# Allegro board 6089-119-RevB_08.brd (continued)
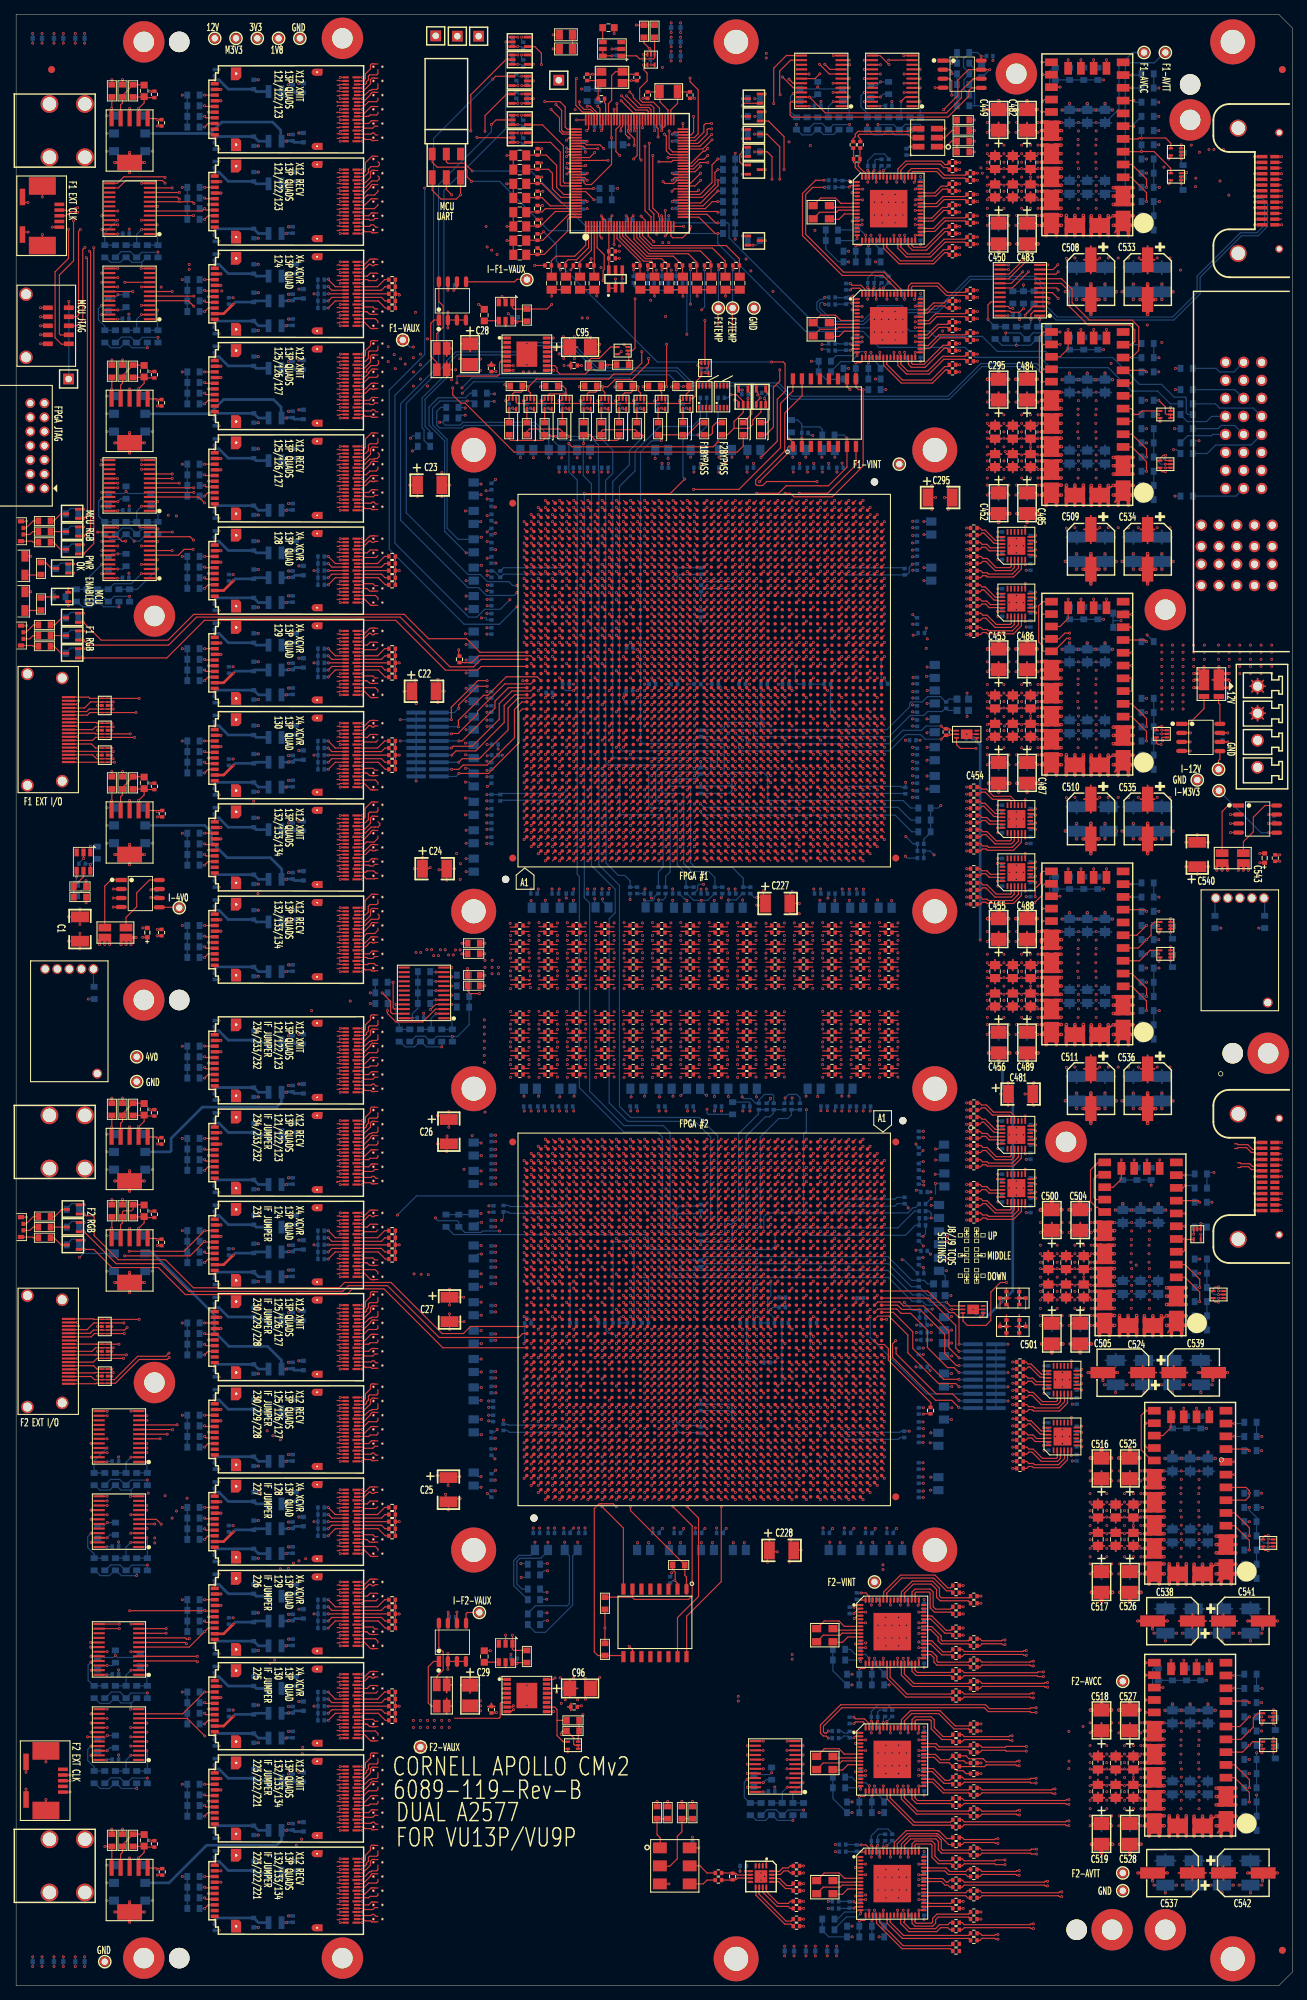
[diagram p0: board, top side]
## Routing (per net, layer and track width the routed paths; a pad name or vN(x,y) marks a point on that pad's centre or on a via; arc(x,y) is an arc through that point) (continued)
; VA98.4 52.05,22.21 ; 49.95,113.21 VA64.3 ; VA64.3 50.04,113.72 ; VA64.3 50.37,113.02 ; VA64.3 49.98,113.4 ; VA64.3 50.18,112.99 ; VA64.3 50.37,113.78 ; VA64.3 49.95,113.59 ; VA64.3 50.04,113.08 ; VA95.4 52.05,28.21 ; VA95.4 51.63,28.78 ; VA95.4 51.96,28.72 ; VA95.4 51.82,28.81 ; VA95.4 51.96,28.08 ; VA95.4 52.02,28.4 ; VA95.4 51.63,28.02 ; VA95.4 52.05,28.59 ; VA67.3 51.82,102.31 ; VA67.3 51.96,101.58 ; VA67.3 51.96,102.22 ; VA67.3 52.05,101.71 ; VA67.3 51.63,102.28 ; VA67.3 51.63,101.52 ; VA67.3 52.02,101.9 ; VA67.3 52.05,102.09 ; J6.20 1.6,82.62 ; J6.20 2.64,82 ; J6.20 2.4,82.36 ; J6.20 2.66,81.55 ; J6.20 2.05,82.6 ; J6.20 1.6,80.48 ; J6.20 2.4,80.75 ; J6.20 1.15,80.51 ; 49.98,13.4 VA102.3 ; VA102.3 50.37,13.02 ; VA102.3 50.18,12.99 ; VA102.3 50.04,13.08 ; VA102.3 50.37,13.78 ; VA102.3 49.95,13.21 ; VA102.3 49.95,13.59 ; VA102.3 50.04,13.72 ; 49.95,130.59 VA56.3 ; VA56.3 49.98,130.4 ; VA56.3 50.37,130.02 ; VA56.3 50.04,130.08 ; VA56.3 50.18,129.99 ; VA56.3 50.37,130.78 ; VA56.3 49.95,130.21 ; VA56.3 50.04,130.72 ; 49.95,89.59 VA73.3 ; VA73.3 49.95,89.21 ; VA73.3 50.37,89.78 ; VA73.3 50.18,88.99 ; VA73.3 50.04,89.72 ; VA73.3 50.04,89.08 ; VA73.3 49.98,89.4 ; VA73.3 50.37,89.02 ; 50.18,265.99 VA3.3 ; VA3.3 50.04,266.08 ; VA3.3 50.37,266.78 ; VA3.3 49.98,266.4 ; VA3.3 49.95,266.21 ; VA3.3 50.37,266.02 ; VA3.3 50.04,266.72 ; VA3.3 49.95,266.59 ; VA18.4 51.96,229.72 ; VA18.4 52.05,229.59 ; VA18.4 52.02,229.4 ; VA18.4 51.82,229.81 ; VA18.4 51.63,229.02 ; VA18.4 52.05,229.21 ; VA18.4 51.63,229.78 ; VA18.4 51.96,229.08 ; 49.95,37.09 VA91.4 ; VA91.4 49.95,36.71 ; VA91.4 50.04,36.58 ; VA91.4 50.04,37.22 ; VA91.4 49.98,36.9 ; VA91.4 50.37,36.52 ; VA91.4 50.37,37.28 ; VA91.4 50.18,36.49 ; 3.62,214.13 J1.5 ; J1.5 4.67,214.33 ; J1.5 3.33,215.67 ; J1.5 4,214.12 ; J1.5 4.67,215.67 ; J1.5 4.88,215 ; J1.5 4,215.88 ; J1.5 3.33,214.33 ; VA62.4 51.82,117.81 ; VA62.4 52.05,117.21 ; VA62.4 51.63,117.78 ; VA62.4 51.96,117.72 ; VA62.4 51.96,117.08 ; VA62.4 52.02,117.4 ; VA62.4 51.63,117.02 ; VA62.4 52.05,117.59 ; 50.18,125.99 VA58.3 ; VA58.3 49.95,126.21 ; VA58.3 50.37,126.78 ; VA58.3 50.04,126.08 ; VA58.3 49.98,126.4 ; VA58.3 50.04,126.72 ; VA58.3 50.37,126.02 ; VA58.3 49.95,126.59 ; 50.04,223.08 VA21.3 ; VA21.3 50.37,223.78 ; VA21.3 49.95,223.21 ; VA21.3 50.04,223.72 ; VA21.3 50.18,222.99 ; VA21.3 49.98,223.4 ; VA21.3 50.37,223.02 ; VA21.3 49.95,223.59 ; 49.95,60.71 VA84.4 ; VA84.4 50.37,60.52 ; VA84.4 50.18,60.49 ; VA84.4 50.37,61.28 ; VA84.4 50.04,60.58 ; VA84.4 49.98,60.9 ; VA84.4 49.95,61.09 ; VA84.4 50.04,61.22 ; VA7.4 51.63,257.78 ; VA7.4 51.82,257.81 ; VA7.4 51.63,257.02 ; VA7.4 52.05,257.21 ; VA7.4 51.96,257.08 ; VA7.4 51.96,257.72 ; VA7.4 52.05,257.59 ; VA7.4 52.02,257.4 ; 49.95,43.71 VA89.3 ; VA89.3 50.04,44.22 ; VA89.3 50.37,44.28 ; VA89.3 49.98,43.9 ; VA89.3 49.95,44.09 ; VA89.3 50.18,43.49 ; VA89.3 50.37,43.52 ; VA89.3 50.04,43.58 ; J5.21 7.57,169.74 ; J5.21 5.69,170.54 ; J5.21 6.5,168.67 ; J5.21 5.69,168.93 ; J5.21 7.31,170.54 ; J5.21 6.5,170.8 ; J5.21 7.31,168.93 ; J5.21 5.43,169.74 ; 50.18,207.99 VA28.3 ; VA28.3 49.95,208.59 ; VA28.3 50.04,208.08 ; VA28.3 50.37,208.78 ; VA28.3 50.04,208.72 ; VA28.3 49.98,208.4 ; VA28.3 50.37,208.02 ; VA28.3 49.95,208.21 ; 49.95,260.59 VA6.3 ; VA6.3 50.37,260.78 ; VA6.3 50.18,259.99 ; VA6.3 49.95,260.21 ; VA6.3 50.04,260.72 ; VA6.3 49.98,260.4 ; VA6.3 50.04,260.08 ; VA6.3 50.37,260.02 ; 173.93,171.69 J10.4 ; J10.4 175,172.75 ; J10.4 174.19,170.88 ; J10.4 175.81,170.88 ; J10.4 174.19,172.49 ; J10.4 175,170.62 ; J10.4 176.07,171.69 ; J10.4 175.81,172.49 ; 50.18,21.99 VA98.3 ; VA98.3 50.04,22.08 ; VA98.3 50.04,22.72 ; VA98.3 49.95,22.59 ; VA98.3 49.98,22.4 ; VA98.3 49.95,22.21 ; VA98.3 50.37,22.02 ; VA98.3 50.37,22.78 ; VA68.3 51.63,100.28 ; VA68.3 51.96,100.22 ; VA68.3 51.82,100.31 ; VA68.3 52.05,99.71 ; VA68.3 51.96,99.58 ; VA68.3 52.05,100.09 ; VA68.3 52.02,99.9 ; VA68.3 51.63,99.52 ; VA22.4 52.05,221.59 ; VA22.4 51.82,221.81 ; VA22.4 51.96,221.72 ; VA22.4 51.63,221.02 ; VA22.4 52.02,221.4 ; VA22.4 51.96,221.08 ; VA22.4 51.63,221.78 ; VA22.4 52.05,221.21 ; VA13.3 50.37,243.28 ; VA13.3 49.98,242.9 ; VA13.3 50.04,242.58 ; VA13.3 49.95,242.71 ; VA13.3 49.95,243.09 ; VA13.3 50.04,243.22 ; VA13.3 50.18,242.49 ; VA13.3 50.37,242.52 ; 50.04,15.08 VA101.3 ; VA101.3 50.37,15.78 ; VA101.3 49.95,15.21 ; VA101.3 49.98,15.4 ; VA101.3 50.04,15.72 ; VA101.3 50.18,14.99 ; VA101.3 50.37,15.02 ; VA101.3 49.95,15.59 ; VA87.3 51.96,49.58 ; VA87.3 51.96,50.22 ; VA87.3 51.82,50.31 ; VA87.3 51.63,50.28 ; VA87.3 51.63,49.52 ; VA87.3 52.02,49.9 ; VA87.3 52.05,49.71 ; VA87.3 52.05,50.09 ; 50.37,49.52 VA87.4 ; VA87.4 50.04,49.58 ; VA87.4 49.95,50.09 ; VA87.4 50.18,49.49 ; VA87.4 50.04,50.22 ; VA87.4 49.95,49.71 ; VA87.4 49.98,49.9 ; VA87.4 50.37,50.28 ; 50.37,270.02 VA1.3 ; VA1.3 50.37,270.78 ; VA1.3 50.04,270.72 ; VA1.3 49.95,270.59 ; VA1.3 50.18,269.99 ; VA1.3 49.98,270.4 ; VA1.3 50.04,270.08 ; VA1.3 49.95,270.21 ; 50.18,96.99 VA69.3 ; VA69.3 50.04,97.72 ; VA69.3 50.04,97.08 ; VA69.3 49.95,97.21 ; VA69.3 49.95,97.59 ; VA69.3 50.37,97.78 ; VA69.3 50.37,97.02 ; VA69.3 49.98,97.4 ; 50.04,204.22 VA29.3 ; VA29.3 50.18,203.49 ; VA29.3 50.37,203.52 ; VA29.3 49.95,204.09 ; VA29.3 50.37,204.28 ; VA29.3 49.95,203.71 ; VA29.3 49.98,203.9 ; VA29.3 50.04,203.58 ; 174.57,204.82 P1.P2-4 ; P1.P2-4 175.55,205.8 ; P1.P2-4 175.31,205.06 ; P1.P2-4 173.59,205.8 ; P1.P2-4 175.31,206.54 ; P1.P2-4 173.83,205.06 ; P1.P2-4 174.57,206.78 ; P1.P2-4 173.83,206.54 ; VA28.4 51.63,208.78 ; VA28.4 51.82,208.81 ; VA28.4 51.96,208.08 ; VA28.4 52.05,208.59 ; VA28.4 51.96,208.72 ; VA28.4 52.05,208.21 ; VA28.4 52.02,208.4 ; VA28.4 51.63,208.02 ; 5.43,82.14 J6.21 ; J6.21 6.5,83.2 ; J6.21 7.57,82.14 ; J6.21 7.31,81.33 ; J6.21 5.69,81.33 ; J6.21 5.69,82.94 ; J6.21 6.5,81.07 ; J6.21 7.31,82.94 ; 49.95,218.59 VA23.3 ; VA23.3 49.95,218.21 ; VA23.3 50.04,218.08 ; VA23.3 49.98,218.4 ; VA23.3 50.04,218.72 ; VA23.3 50.37,218.02 ; VA23.3 50.37,218.78 ; VA23.3 50.18,217.99 ; 5.69,183.46 J5.22 ; J5.22 7.31,183.46 ; J5.22 5.43,184.26 ; J5.22 7.57,184.26 ; J5.22 7.31,185.07 ; J5.22 6.5,185.33 ; J5.22 6.5,183.2 ; J5.22 5.69,185.07 ; VA5.3 50.37,262.78 ; VA5.3 49.98,262.4 ; VA5.3 50.37,262.02 ; VA5.3 50.04,262.08 ; VA5.3 50.18,261.99 ; VA5.3 49.95,262.21 ; VA5.3 50.04,262.72 ; VA5.3 49.95,262.59 ; VA2.4 51.82,268.81 ; VA2.4 51.96,268.08 ; VA2.4 51.63,268.02 ; VA2.4 51.96,268.72 ; VA2.4 52.02,268.4 ; VA2.4 52.05,268.21 ; VA2.4 51.63,268.78 ; VA2.4 52.05,268.59 ; 50.04,70.22 VA81.3 ; VA81.3 50.37,69.52 ; VA81.3 50.37,70.28 ; VA81.3 50.18,69.49 ; VA81.3 49.95,69.71 ; VA81.3 49.95,70.09 ; VA81.3 50.04,69.58 ; VA81.3 49.98,69.9 ; 49.95,153.21 VA47.3 ; VA47.3 49.98,153.4 ; VA47.3 50.04,153.08 ; VA47.3 50.04,153.72 ; VA47.3 50.18,152.99 ; VA47.3 50.37,153.78 ; VA47.3 49.95,153.59 ; VA47.3 50.37,153.02 ; J1.3 4.88,213 ; J1.3 4,213.88 ; J1.3 3.33,212.33 ; J1.3 3.33,213.67 ; J1.3 4.67,212.33 ; J1.3 3.62,212.13 ; J1.3 4.67,213.67 ; J1.3 4,212.12 ; 49.95,171.09 VA39.4 ; VA39.4 49.95,170.71 ; VA39.4 49.98,170.9 ; VA39.4 50.04,170.58 ; VA39.4 50.18,170.49 ; VA39.4 50.04,171.22 ; VA39.4 50.37,171.28 ; VA39.4 50.37,170.52 ; VA101.4 51.96,15.72 ; VA101.4 51.96,15.08 ; VA101.4 51.82,15.81 ; VA101.4 51.63,15.78 ; VA101.4 52.05,15.59 ; VA101.4 52.05,15.21 ; VA101.4 51.63,15.02 ; VA101.4 52.02,15.4 ; 50.04,251.08 VA10.3 ; VA10.3 49.98,251.4 ; VA10.3 49.95,251.21 ; VA10.3 50.04,251.72 ; VA10.3 49.95,251.59 ; VA10.3 50.37,251.78 ; VA10.3 50.18,250.99 ; VA10.3 50.37,251.02 ; 49.95,30.59 VA94.3 ; VA94.3 49.98,30.4 ; VA94.3 50.04,30.08 ; VA94.3 50.37,30.78 ; VA94.3 49.95,30.21 ; VA94.3 50.37,30.02 ; VA94.3 50.04,30.72 ; VA94.3 50.18,29.99 ; VA104.4 52.05,9.59 ; VA104.4 51.96,9.08 ; VA104.4 52.05,9.21 ; VA104.4 51.96,9.72 ; VA104.4 51.63,9.78 ; VA104.4 51.82,9.81 ; VA104.4 51.63,9.02 ; VA104.4 52.02,9.4 ; VA26.4 52.05,212.59 ; VA26.4 51.82,212.81 ; VA26.4 51.63,212.78 ; VA26.4 52.02,212.4 ; VA26.4 51.96,212.08 ; VA26.4 51.96,212.72 ; VA26.4 52.05,212.21 ; VA26.4 51.63,212.02 ; 50.04,82.72 VA76.3 ; VA76.3 50.37,82.78 ; VA76.3 49.95,82.21 ; VA76.3 50.37,82.02 ; VA76.3 49.98,82.4 ; VA76.3 50.04,82.08 ; VA76.3 49.95,82.59 ; VA76.3 50.18,81.99 ; 49.95,106.71 VA66.3 ; VA66.3 49.98,106.9 ; VA66.3 50.37,107.28 ; VA66.3 49.95,107.09 ; VA66.3 50.04,106.58 ; VA66.3 50.18,106.49 ; VA66.3 50.04,107.22 ; VA66.3 50.37,106.52 ; VA42.4 52.02,164.4 ; VA42.4 51.96,164.72 ; VA42.4 51.63,164.02 ; VA42.4 51.96,164.08 ; VA42.4 52.05,164.59 ; VA42.4 52.05,164.21 ; VA42.4 51.82,164.81 ; VA42.4 51.63,164.78 ; 49.95,78.59 VA78.3 ; VA78.3 50.37,78.78 ; VA78.3 49.95,78.21 ; VA78.3 50.37,78.02 ; VA78.3 50.04,78.72 ; VA78.3 50.18,77.99 ; VA78.3 50.04,78.08 ; VA78.3 49.98,78.4 ; P1.10 173.77,214.25 ; P1.10 173.03,214.49 ; P1.10 172.29,212.77 ; P1.10 172.29,214.25 ; P1.10 173.77,212.77 ; P1.10 174.01,213.51 ; P1.10 172.05,213.51 ; P1.10 173.03,212.53 ; VA9.4 52.05,253.21 ; VA9.4 51.63,253.78 ; VA9.4 51.96,253.72 ; VA9.4 51.82,253.81 ; VA9.4 52.05,253.59 ; VA9.4 52.02,253.4 ; VA9.4 51.96,253.08 ; VA9.4 51.63,253.02 ; VA92.3 51.63,35.28 ; VA92.3 51.96,34.58 ; VA92.3 52.02,34.9 ; VA92.3 52.05,35.09 ; VA92.3 51.63,34.52 ; VA92.3 52.05,34.71 ; VA92.3 51.96,35.22 ; VA92.3 51.82,35.31 ; VA58.4 51.63,126.78 ; VA58.4 52.05,126.59 ; VA58.4 51.96,126.08 ; VA58.4 51.82,126.81 ; VA58.4 52.05,126.21 ; VA58.4 51.63,126.02 ; VA58.4 51.96,126.72 ; VA58.4 52.02,126.4 ; 176.33,205.06 P1.P2-2 ; P1.P2-2 176.09,205.8 ; P1.P2-2 178.05,205.8 ; P1.P2-2 176.33,206.54 ; P1.P2-2 177.07,206.78 ; P1.P2-2 177.81,206.54 ; P1.P2-2 177.81,205.06 ; P1.P2-2 177.07,204.82 ; 172.5,152.39 U122.3 ; U122.3 173.17,152.6 ; U122.3 172.12,152.4 ; U122.3 172.88,154.14 ; U122.3 171.83,152.6 ; U122.3 173.17,153.94 ; U122.3 171.83,153.94 ; U122.3 172.5,154.14 ; PM24.1 167.17,169.23 ; PM24.1 166.5,170.78 ; PM24.1 165.62,169.9 ; PM24.1 166.5,169.02 ; PM24.1 167.17,170.57 ; PM24.1 167.38,169.9 ; PM24.1 165.83,170.57 ; PM24.1 165.83,169.23 ; VA24.4 51.96,216.08 ; VA24.4 51.96,216.72 ; VA24.4 52.02,216.4 ; VA24.4 51.63,216.02 ; VA24.4 51.82,216.81 ; VA24.4 52.05,216.59 ; VA24.4 52.05,216.21 ; VA24.4 51.63,216.78 ; VA21.4 52.05,223.59 ; VA21.4 51.82,223.81 ; VA21.4 51.96,223.72 ; VA21.4 52.05,223.21 ; VA21.4 51.63,223.02 ; VA21.4 52.02,223.4 ; VA21.4 51.96,223.08 ; VA21.4 51.63,223.78 ; 50.18,23.99 VA97.3 ; VA97.3 49.95,24.21 ; VA97.3 50.37,24.78 ; VA97.3 50.04,24.08 ; VA97.3 50.04,24.72 ; VA97.3 50.37,24.02 ; VA97.3 49.95,24.59 ; VA97.3 49.98,24.4 ; 50.37,108.52 VA65.3 ; VA65.3 50.04,109.22 ; VA65.3 49.95,108.71 ; VA65.3 49.95,109.09 ; VA65.3 49.98,108.9 ; VA65.3 50.37,109.28 ; VA65.3 50.18,108.49 ; VA65.3 50.04,108.58 ; 49.95,247.21 VA12.3 ; VA12.3 49.95,247.59 ; VA12.3 50.37,247.78 ; VA12.3 49.98,247.4 ; VA12.3 50.37,247.02 ; VA12.3 50.18,246.99 ; VA12.3 50.04,247.72 ; VA12.3 50.04,247.08 ; 49.98,216.4 VA24.3 ; VA24.3 49.95,216.21 ; VA24.3 50.04,216.08 ; VA24.3 50.04,216.72 ; VA24.3 50.37,216.78 ; VA24.3 50.37,216.02 ; VA24.3 49.95,216.59 ; VA24.3 50.18,215.99 ; 50.18,56.49 VA85.3 ; VA85.3 50.37,56.52 ; VA85.3 49.95,56.71 ; VA85.3 50.37,57.28 ; VA85.3 49.98,56.9 ; VA85.3 50.04,57.22 ; VA85.3 50.04,56.58 ; VA85.3 49.95,57.09 ; VA34.4 51.63,189.28 ; VA34.4 51.96,189.22 ; VA34.4 51.82,189.31 ; VA34.4 52.05,189.09 ; VA34.4 51.96,188.58 ; VA34.4 52.02,188.9 ; VA34.4 51.63,188.52 ; VA34.4 52.05,188.71 ; VA47.4 51.96,153.72 ; VA47.4 52.02,153.4 ; VA47.4 51.63,153.02 ; VA47.4 52.05,153.21 ; VA47.4 51.63,153.78 ; VA47.4 52.05,153.59 ; VA47.4 51.82,153.81 ; VA47.4 51.96,153.08 ; VA4.4 51.96,264.08 ; VA4.4 52.05,264.59 ; VA4.4 51.63,264.78 ; VA4.4 52.05,264.21 ; VA4.4 52.02,264.4 ; VA4.4 51.82,264.81 ; VA4.4 51.96,264.72 ; VA4.4 51.63,264.02 ; VA70.4 51.96,95.72 ; VA70.4 52.05,95.59 ; VA70.4 52.05,95.21 ; VA70.4 51.82,95.81 ; VA70.4 51.63,95.02 ; VA70.4 51.96,95.08 ; VA70.4 51.63,95.78 ; VA70.4 52.02,95.4 ; 50.37,168.52 VA40.4 ; VA40.4 49.95,169.09 ; VA40.4 50.37,169.28 ; VA40.4 49.98,168.9 ; VA40.4 50.04,169.22 ; VA40.4 49.95,168.71 ; VA40.4 50.04,168.58 ; VA40.4 50.18,168.49 ; 50.04,134.72 VA54.3 ; VA54.3 50.04,134.08 ; VA54.3 50.37,134.02 ; VA54.3 49.98,134.4 ; VA54.3 49.95,134.21 ; VA54.3 49.95,134.59 ; VA54.3 50.18,133.99 ; VA54.3 50.37,134.78 ; 49.98,188.9 VA34.3 ; VA34.3 50.18,188.49 ; VA34.3 50.04,188.58 ; VA34.3 49.95,189.09 ; VA34.3 50.37,189.28 ; VA34.3 50.37,188.52 ; VA34.3 50.04,189.22 ; VA34.3 49.95,188.71 ; VA89.4 51.63,44.28 ; VA89.4 52.05,44.09 ; VA89.4 51.82,44.31 ; VA89.4 52.02,43.9 ; VA89.4 51.63,43.52 ; VA89.4 51.96,43.58 ; VA89.4 52.05,43.71 ; VA89.4 51.96,44.22 ; VA49.4 52.05,149.21 ; VA49.4 51.96,149.08 ; VA49.4 51.96,149.72 ; VA49.4 51.82,149.81 ; VA49.4 52.05,149.59 ; VA49.4 52.02,149.4 ; VA49.4 51.63,149.78 ; VA49.4 51.63,149.02 ; VA23.4 51.63,218.78 ; VA23.4 51.63,218.02 ; VA23.4 51.82,218.81 ; VA23.4 52.05,218.21 ; VA23.4 52.02,218.4 ; VA23.4 52.05,218.59 ; VA23.4 51.96,218.72 ; VA23.4 51.96,218.08 ; 50.18,213.99 VA25.3 ; VA25.3 50.04,214.72 ; VA25.3 50.04,214.08 ; VA25.3 49.95,214.21 ; VA25.3 49.95,214.59 ; VA25.3 50.37,214.78 ; VA25.3 49.98,214.4 ; VA25.3 50.37,214.02 ; VA99.4 52.05,19.21 ; VA99.4 51.63,19.02 ; VA99.4 52.02,19.4 ; VA99.4 52.05,19.59 ; VA99.4 51.96,19.08 ; VA99.4 51.82,19.81 ; VA99.4 51.63,19.78 ; VA99.4 51.96,19.72 ; VA5.4 52.05,262.21 ; VA5.4 51.96,262.08 ; VA5.4 51.63,262.78 ; VA5.4 52.02,262.4 ; VA5.4 51.63,262.02 ; VA5.4 51.96,262.72 ; VA5.4 52.05,262.59 ; VA5.4 51.82,262.81 ; 51.63,247.02 VA12.4 ; VA12.4 52.05,247.59 ; VA12.4 51.63,247.78 ; VA12.4 51.96,247.72 ; VA12.4 52.05,247.21 ; VA12.4 52.02,247.4 ; VA12.4 51.96,247.08 ; VA12.4 51.82,247.81 ; VA66.4 51.96,106.58 ; VA66.4 52.05,106.71 ; VA66.4 51.96,107.22 ; VA66.4 51.63,106.52 ; VA66.4 51.63,107.28 ; VA66.4 51.82,107.31 ; VA66.4 52.02,106.9 ; VA66.4 52.05,107.09 ; VA100.4 51.63,17.78 ; VA100.4 52.05,17.59 ; VA100.4 52.05,17.21 ; VA100.4 52.02,17.4 ; VA100.4 51.96,17.72 ; VA100.4 51.82,17.81 ; VA100.4 51.63,17.02 ; VA100.4 51.96,17.08 ; VA29.4 52.05,203.71 ; VA29.4 51.63,204.28 ; VA29.4 52.02,203.9 ; VA29.4 51.96,204.22 ; VA29.4 52.05,204.09 ; VA29.4 51.63,203.52 ; VA29.4 51.82,204.31 ; VA29.4 51.96,203.58 ; 171.33,205.06 P1.P2-6 ; P1.P2-6 173.05,205.8 ; P1.P2-6 171.33,206.54 ; P1.P2-6 172.81,206.54 ; P1.P2-6 172.07,204.82 ; P1.P2-6 172.07,206.78 ; P1.P2-6 171.09,205.8 ; P1.P2-6 172.81,205.06 ; VA35.3 51.96,183.58 ; VA35.3 52.05,184.09 ; VA35.3 51.63,183.52 ; VA35.3 51.82,184.31 ; VA35.3 51.96,184.22 ; VA35.3 52.02,183.9 ; VA35.3 51.63,184.28 ; VA35.3 52.05,183.71 ; VA56.4 51.82,130.81 ; VA56.4 51.63,130.78 ; VA56.4 52.05,130.21 ; VA56.4 51.96,130.72 ; VA56.4 51.63,130.02 ; VA56.4 52.05,130.59 ; VA56.4 52.02,130.4 ; VA56.4 51.96,130.08 ; VA13.4 51.96,243.22 ; VA13.4 52.05,243.09 ; VA13.4 51.63,243.28 ; VA13.4 52.02,242.9 ; VA13.4 51.96,242.58 ; VA13.4 51.82,243.31 ; VA13.4 52.05,242.71 ; VA13.4 51.63,242.52 ; VA74.4 52.02,87.4 ; VA74.4 51.96,87.08 ; VA74.4 51.63,87.02 ; VA74.4 51.63,87.78 ; VA74.4 52.05,87.59 ; VA74.4 51.82,87.81 ; VA74.4 52.05,87.21 ; VA74.4 51.96,87.72 ; VA36.3 51.96,182.22 ; VA36.3 51.96,181.58 ; VA36.3 51.63,181.52 ; VA36.3 52.02,181.9 ; VA36.3 52.05,181.71 ; VA36.3 52.05,182.09 ; VA36.3 51.82,182.31 ; VA36.3 51.63,182.28 ; 172.05,221.13 P1.13 ; P1.13 173.03,220.15 ; P1.13 174.01,221.13 ; P1.13 172.29,221.87 ; P1.13 173.77,221.87 ; P1.13 173.03,222.11 ; P1.13 172.29,220.39 ; P1.13 173.77,220.39 ; 51.63,76.02 VA79.4 ; VA79.4 51.82,76.81 ; VA79.4 52.05,76.59 ; VA79.4 51.63,76.78 ; VA79.4 51.96,76.08 ; VA79.4 52.02,76.4 ; VA79.4 51.96,76.72 ; VA79.4 52.05,76.21 ; VA20.4 52.02,225.4 ; VA20.4 51.63,225.02 ; VA20.4 51.96,225.08 ; VA20.4 51.82,225.81 ; VA20.4 52.05,225.21 ; VA20.4 51.63,225.78 ; VA20.4 52.05,225.59 ; VA20.4 51.96,225.72 ; VA51.4 52.05,145.59 ; VA51.4 51.63,145.78 ; VA51.4 51.63,145.02 ; VA51.4 51.96,145.08 ; VA51.4 52.02,145.4 ; VA51.4 52.05,145.21 ; VA51.4 51.82,145.81 ; VA51.4 51.96,145.72 ; VA84.3 52.02,60.9 ; VA84.3 52.05,61.09 ; VA84.3 51.82,61.31 ; VA84.3 51.63,60.52 ; VA84.3 51.96,61.22 ; VA84.3 51.96,60.58 ; VA84.3 51.63,61.28 ; VA84.3 52.05,60.71 ; VA64.4 52.05,113.21 ; VA64.4 51.82,113.81 ; VA64.4 52.02,113.4 ; VA64.4 51.96,113.72 ; VA64.4 51.96,113.08 ; VA64.4 51.63,113.78 ; VA64.4 52.05,113.59 ; VA64.4 51.63,113.02 ; 50.04,253.72 VA9.3 ; VA9.3 50.18,252.99 ; VA9.3 50.37,253.02 ; VA9.3 49.95,253.59 ; VA9.3 50.04,253.08 ; VA9.3 50.37,253.78 ; VA9.3 49.98,253.4 ; VA9.3 49.95,253.21 ; 172.29,215.31 P1.11 ; P1.11 172.05,216.05 ; P1.11 173.03,215.07 ; P1.11 173.03,217.03 ; P1.11 174.01,216.05 ; P1.11 173.77,216.79 ; P1.11 172.29,216.79 ; P1.11 173.77,215.31 ; 50.04,181.58 VA36.4 ; VA36.4 50.18,181.49 ; VA36.4 49.95,181.71 ; VA36.4 50.37,181.52 ; VA36.4 50.37,182.28 ; VA36.4 49.95,182.09 ; VA36.4 50.04,182.22 ; VA36.4 49.98,181.9 ; 50.37,240.52 VA14.3 ; VA14.3 49.95,240.71 ; VA14.3 50.18,240.49 ; VA14.3 50.37,241.28 ; VA14.3 49.95,241.09 ; VA14.3 50.04,240.58 ; VA14.3 50.04,241.22 ; VA14.3 49.98,240.9 ; 173.03,225.23 P1.15 ; P1.15 173.77,225.47 ; P1.15 173.03,227.19 ; P1.15 173.77,226.95 ; P1.15 172.29,225.47 ; P1.15 172.05,226.21 ; P1.15 172.29,226.95 ; P1.15 174.01,226.21 ; 50.04,212.08 VA26.3 ; VA26.3 49.95,212.21 ; VA26.3 50.37,212.78 ; VA26.3 50.18,211.99 ; VA26.3 49.95,212.59 ; VA26.3 50.37,212.02 ; VA26.3 49.98,212.4 ; VA26.3 50.04,212.72 ; 49.98,158.4 VA45.3 ; VA45.3 50.04,158.08 ; VA45.3 50.04,158.72 ; VA45.3 49.95,158.21 ; VA45.3 49.95,158.59 ; VA45.3 50.37,158.78 ; VA45.3 50.37,158.02 ; VA45.3 50.18,157.99 ; 50.04,255.08 VA8.3 ; VA8.3 50.37,255.02 ; VA8.3 49.98,255.4 ; VA8.3 50.37,255.78 ; VA8.3 50.18,254.99 ; VA8.3 49.95,255.21 ; VA8.3 50.04,255.72 ; VA8.3 49.95,255.59 ; 50.37,225.02 VA20.3 ; VA20.3 49.95,225.21 ; VA20.3 49.98,225.4 ; VA20.3 50.37,225.78 ; VA20.3 50.04,225.08 ; VA20.3 50.04,225.72 ; VA20.3 50.18,224.99 ; VA20.3 49.95,225.59 ; VA63.4 52.05,115.59 ; VA63.4 51.96,115.72 ; VA63.4 51.63,115.02 ; VA63.4 51.96,115.08 ; VA63.4 52.05,115.21 ; VA63.4 51.82,115.81 ; VA63.4 52.02,115.4 ; VA63.4 51.63,115.78 ; 49.98,76.4 VA79.3 ; VA79.3 50.04,76.72 ; VA79.3 50.04,76.08 ; VA79.3 50.37,76.02 ; VA79.3 49.95,76.59 ; VA79.3 50.37,76.78 ; VA79.3 50.18,75.99 ; VA79.3 49.95,76.21 ; VA86.4 52.05,55.09 ; VA86.4 51.63,55.28 ; VA86.4 52.02,54.9 ; VA86.4 51.96,55.22 ; VA86.4 52.05,54.71 ; VA86.4 51.82,55.31 ; VA86.4 51.96,54.58 ; VA86.4 51.63,54.52 ; 49.98,11.4 VA103.3 ; VA103.3 50.18,10.99 ; VA103.3 50.37,11.78 ; VA103.3 50.04,11.72 ; VA103.3 50.04,11.08 ; VA103.3 49.95,11.59 ; VA103.3 49.95,11.21 ; VA103.3 50.37,11.02 ; 49.98,128.4 VA57.3 ; VA57.3 50.04,128.72 ; VA57.3 50.04,128.08 ; VA57.3 50.37,128.02 ; VA57.3 50.18,127.99 ; VA57.3 50.37,128.78 ; VA57.3 49.95,128.21 ; VA57.3 49.95,128.59 ; J1.9 4.88,219 ; J1.9 4,219.88 ; J1.9 3.33,219.67 ; J1.9 4,218.12 ; J1.9 3.62,218.13 ; J1.9 4.67,219.67 ; J1.9 3.33,218.33 ; J1.9 4.67,218.33 ; 51.63,175.52 VA38.4 ; VA38.4 51.96,175.58 ; VA38.4 51.63,176.28 ; VA38.4 52.05,176.09 ; VA38.4 51.96,176.22 ; VA38.4 52.05,175.71 ; VA38.4 51.82,176.31 ; VA38.4 52.02,175.9 ; VA96.4 52.02,26.4 ; VA96.4 52.05,26.59 ; VA96.4 52.05,26.21 ; VA96.4 51.63,26.78 ; VA96.4 51.63,26.02 ; VA96.4 51.96,26.72 ; VA96.4 51.82,26.81 ; VA96.4 51.96,26.08 ; VA41.4 52.05,166.21 ; VA41.4 52.02,166.4 ; VA41.4 51.63,166.78 ; VA41.4 51.82,166.81 ; VA41.4 51.63,166.02 ; VA41.4 51.96,166.72 ; VA41.4 51.96,166.08 ; VA41.4 52.05,166.59 ; J1.7 4.67,217.67 ; J1.7 3.62,216.13 ; J1.7 3.33,216.33 ; J1.7 4,216.12 ; J1.7 4,217.88 ; J1.7 4.67,216.33 ; J1.7 3.33,217.67 ; J1.7 4.88,217 ; 51.63,235.52 VA15.3 ; VA15.3 52.05,235.71 ; VA15.3 52.02,235.9 ; VA15.3 51.96,236.22 ; VA15.3 51.82,236.31 ; VA15.3 52.05,236.09 ; VA15.3 51.63,236.28 ; VA15.3 51.96,235.58 ; 50.04,132.08 VA55.3 ; VA55.3 49.95,132.21 ; VA55.3 50.37,132.78 ; VA55.3 49.95,132.59 ; VA55.3 50.04,132.72 ; VA55.3 49.98,132.4 ; VA55.3 50.18,131.99 ; VA55.3 50.37,132.02 ; VA86.3 50.37,55.28 ; VA86.3 50.04,54.58 ; VA86.3 49.98,54.9 ; VA86.3 50.37,54.52 ; VA86.3 49.95,54.71 ; VA86.3 49.95,55.09 ; VA86.3 50.04,55.22 ; VA86.3 50.18,54.49 ; 50.04,190.58 VA33.3 ; VA33.3 50.04,191.22 ; VA33.3 50.37,190.52 ; VA33.3 49.98,190.9 ; VA33.3 49.95,191.09 ; VA33.3 50.18,190.49 ; VA33.3 49.95,190.71 ; VA33.3 50.37,191.28 ; 51.63,156.02 VA46.4 ; VA46.4 51.82,156.81 ; VA46.4 51.96,156.08 ; VA46.4 51.63,156.78 ; VA46.4 52.05,156.59 ; VA46.4 52.05,156.21 ; VA46.4 52.02,156.4 ; VA46.4 51.96,156.72 ; 50.04,184.22 VA35.4 ; VA35.4 49.98,183.9 ; VA35.4 50.04,183.58 ; VA35.4 49.95,184.09 ; VA35.4 49.95,183.71 ; VA35.4 50.18,183.49 ; VA35.4 50.37,184.28 ; VA35.4 50.37,183.52 ; VA91.3 52.02,36.9 ; VA91.3 51.63,37.28 ; VA91.3 52.05,37.09 ; VA91.3 51.96,36.58 ; VA91.3 52.05,36.71 ; VA91.3 51.63,36.52 ; VA91.3 51.96,37.22 ; VA91.3 51.82,37.31 ; VA97.4 52.05,24.21 ; VA97.4 51.82,24.81 ; VA97.4 51.63,24.78 ; VA97.4 51.63,24.02 ; VA97.4 52.02,24.4 ; VA97.4 51.96,24.08 ; VA97.4 51.96,24.72 ; VA97.4 52.05,24.59 ; 166.33,203.54 P1.P2-9 ; P1.P2-9 167.81,203.54 ; P1.P2-9 167.81,202.06 ; P1.P2-9 166.33,202.06 ; P1.P2-9 168.05,202.8 ; P1.P2-9 167.07,201.82 ; P1.P2-9 166.09,202.8 ; P1.P2-9 167.07,203.78 ; VA15.4 50.37,236.28 ; VA15.4 50.04,236.22 ; VA15.4 49.95,236.09 ; VA15.4 49.98,235.9 ; VA15.4 49.95,235.71 ; VA15.4 50.04,235.58 ; VA15.4 50.18,235.49 ; VA15.4 50.37,235.52 ; VA57.4 52.05,128.59 ; VA57.4 51.82,128.81 ; VA57.4 51.63,128.78 ; VA57.4 51.96,128.08 ; VA57.4 52.05,128.21 ; VA57.4 52.02,128.4 ; VA57.4 51.96,128.72 ; VA57.4 51.63,128.02 ; VA99.3 50.37,19.78 ; VA99.3 49.95,19.21 ; VA99.3 50.37,19.02 ; VA99.3 49.95,19.59 ; VA99.3 50.04,19.72 ; VA99.3 50.18,18.99 ; VA99.3 50.04,19.08 ; VA99.3 49.98,19.4 ; 50.37,28.02 VA95.3 ; VA95.3 50.18,27.99 ; VA95.3 50.37,28.78 ; VA95.3 49.95,28.21 ; VA95.3 49.98,28.4 ; VA95.3 50.04,28.08 ; VA95.3 49.95,28.59 ; VA95.3 50.04,28.72 ; 3.33,222.33 J1.13 ; J1.13 4.67,223.67 ; J1.13 4.67,222.33 ; J1.13 4,223.88 ; J1.13 4.88,223 ; J1.13 3.62,222.13 ; J1.13 3.33,223.67 ; J1.13 4,222.12 ; VA45.4 52.02,158.4 ; VA45.4 51.82,158.81 ; VA45.4 51.63,158.02 ; VA45.4 51.96,158.08 ; VA45.4 52.05,158.59 ; VA45.4 52.05,158.21 ; VA45.4 51.96,158.72 ; VA45.4 51.63,158.78 ; VA1.4 51.96,270.72 ; VA1.4 52.05,270.21 ; VA1.4 51.63,270.78 ; VA1.4 51.63,270.02 ; VA1.4 51.82,270.81 ; VA1.4 52.02,270.4 ; VA1.4 52.05,270.59 ; VA1.4 51.96,270.08 ; VA3.4 51.96,266.72 ; VA3.4 51.63,266.02 ; VA3.4 52.02,266.4 ; VA3.4 52.05,266.21 ; VA3.4 52.05,266.59 ; VA3.4 51.82,266.81 ; VA3.4 51.63,266.78 ; VA3.4 51.96,266.08